# Altium PCB RFSoC-AMC.PcbDoc (part 6 of 12) (continued)
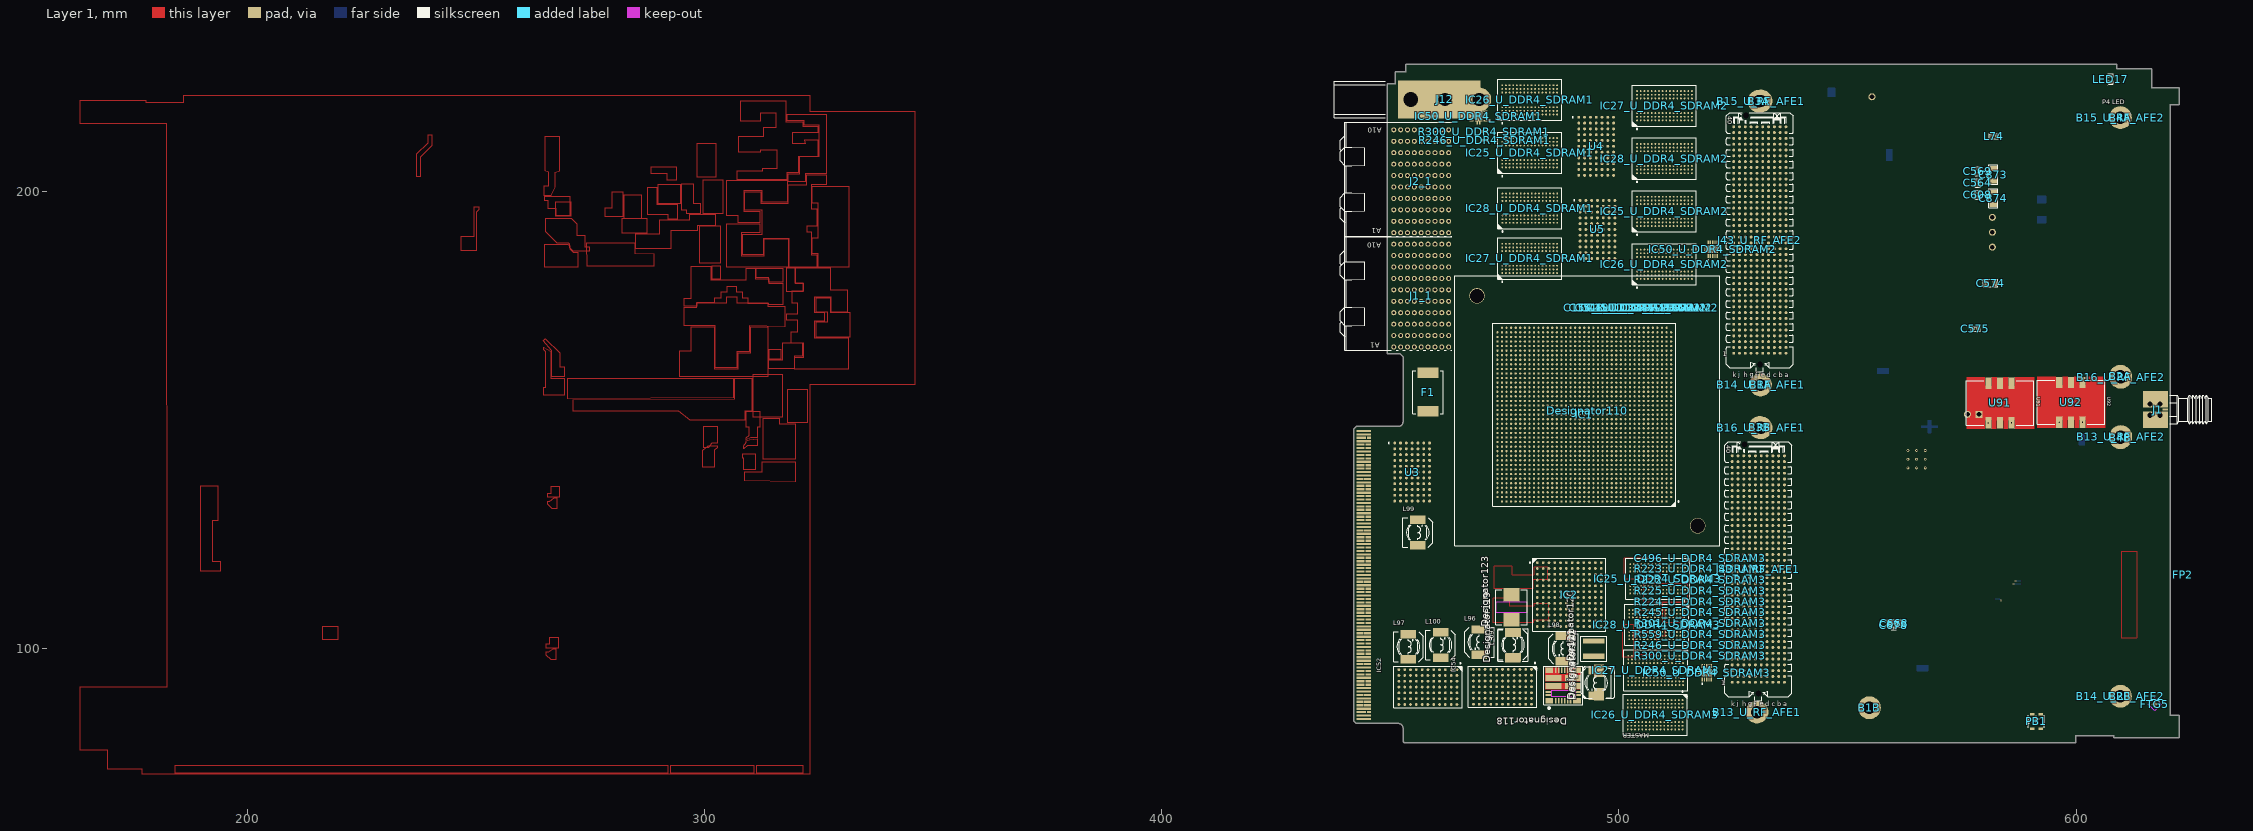
[diagram p0: Layer 1 view]
## Nets (pads, with @x,y where several pads share a name; then routed paths per layer and width w, separated by ;. In a path a pad name is that pad's centre, name@x,y a point inside that pad or via, vN(x,y) a via of type N, cw(c..) or ccw(c..) an arc to the next point about the centre after c; other vN are vias at no path point) (continued)
Designator143.U16 Designator143.U17 Designator143.U18 Designator143.V1 Designator143.V2 Designator143.V3 Designator143.V4 Designator143.V5 Designator143.V6 Designator143.V7 Designator143.V8 Designator143.V9 Designator143.V10 Designator143.V11 Designator143.V12 Designator143.V13 Designator143.V14 Designator143.V15 Designator143.V16 Designator143.V17 Designator143.V18 FTG3.1 FTG5.1 FTG7.1 IC1.A2 IC1.A3 IC1.A4 IC1.A5 IC1.A6 IC1.A7 IC1.A8 IC1.A9 IC1.A10 IC1.A11 IC1.A12 IC1.A13 IC1.A14 IC1.A15 IC1.A18 IC1.A20 IC1.A21 IC1.A23 IC1.A24 IC1.A25 IC1.A26 IC1.A27 IC1.A28 IC1.A30 IC1.A31 IC1.A32 IC1.A35 IC1.A36 IC1.A37 IC1.A38 IC1.AA1 IC1.AA2 IC1.AA3 IC1.AA4 IC1.AA5 IC1.AA6 IC1.AA7 IC1.AA8 IC1.AA9 IC1.AA10 IC1.AA11 IC1.AA12 IC1.AA13 IC1.AA14 IC1.AA15 IC1.AA16 IC1.AA17 IC1.AA18 IC1.AA19 IC1.AA20 IC1.AA21 IC1.AA22 IC1.AA23 IC1.AA24 IC1.AA25 IC1.AA26 IC1.AA27 IC1.AA28 IC1.AA29 IC1.AA30 IC1.AA31 IC1.AA32 IC1.AA33 IC1.AA34 IC1.AA35 IC1.AA36 IC1.AA37 IC1.AB3 IC1.AB6 IC1.AB10 IC1.AB11 IC1.AB12 IC1.AB13 IC1.AB14 IC1.AB15 IC1.AB16 IC1.AB17 IC1.AB18 IC1.AB19 IC1.AB20 IC1.AB21 IC1.AB22 IC1.AB23 IC1.AB24 IC1.AB25 IC1.AB26 IC1.AB27 IC1.AB28 IC1.AB29 IC1.AB30 IC1.AB31 IC1.AB32 IC1.AB33 IC1.AB34 IC1.AB35 IC1.AB36 IC1.AB37 IC1.AB38 IC1.AB39 IC1.AC1 IC1.AC2 IC1.AC3 IC1.AC4 IC1.AC5 IC1.AC6 IC1.AC8 IC1.AC10 IC1.AC11 IC1.AC12 IC1.AC13 IC1.AC14 IC1.AC15 IC1.AC16 IC1.AC17 IC1.AC18 IC1.AC19 IC1.AC20 IC1.AC21 IC1.AC22 IC1.AC23 IC1.AC24 IC1.AC25 IC1.AC26 IC1.AC27 IC1.AC28 IC1.AC29 IC1.AC30 IC1.AC31 IC1.AC32 IC1.AC33 IC1.AC34 IC1.AC35 IC1.AC36 IC1.AC37 IC1.AC38 IC1.AC39 IC1.AD3 IC1.AD6 IC1.AD8 IC1.AD10 IC1.AD11 IC1.AD12 IC1.AD13 IC1.AD14 IC1.AD15 IC1.AD16 IC1.AD17 IC1.AD18 IC1.AD19 IC1.AD20 IC1.AD21 IC1.AD22 IC1.AD23 IC1.AD24 IC1.AD25 IC1.AD26 IC1.AD27 IC1.AD28 IC1.AD29 IC1.AD30 IC1.AD31 IC1.AD32 IC1.AD33 IC1.AD34 IC1.AD35 IC1.AD36 IC1.AD37 IC1.AD38 IC1.AD39 IC1.AE1 IC1.AE2 IC1.AE3 IC1.AE4 IC1.AE5 IC1.AE6 IC1.AE8 IC1.AE10 IC1.AE11 IC1.AE12 IC1.AE13 IC1.AE14 IC1.AE15 IC1.AE16 IC1.AE17 IC1.AE18 IC1.AE19 IC1.AE20 IC1.AE21 IC1.AE22 IC1.AE23 IC1.AE24 IC1.AE25 IC1.AE26 IC1.AE27 IC1.AE28 IC1.AE29 IC1.AE30 IC1.AE31 IC1.AE32 IC1.AE33 IC1.AE34 IC1.AE35 IC1.AE36 IC1.AE37 IC1.AE38 IC1.AE39 IC1.AF3 IC1.AF6 IC1.AF8 IC1.AF10 IC1.AF11 IC1.AF12 IC1.AF13 IC1.AF14 IC1.AF15 IC1.AF16 IC1.AF17 IC1.AF18 IC1.AF19 IC1.AF20 IC1.AF21 IC1.AF22 IC1.AF23 IC1.AF24 IC1.AF25 IC1.AF26 IC1.AF27 IC1.AF28 IC1.AF29 IC1.AF30 IC1.AF31 IC1.AF33 IC1.AF34 IC1.AF35 IC1.AF36 IC1.AF37 IC1.AF38 IC1.AF39 IC1.AG1 IC1.AG2 IC1.AG3 IC1.AG4 IC1.AG5 IC1.AG6 IC1.AG8 IC1.AG10 IC1.AG11 IC1.AG12 IC1.AG14 IC1.AG16 IC1.AG17 IC1.AG18 IC1.AG20 IC1.AG21 IC1.AG22 IC1.AG23 IC1.AG24 IC1.AG25 IC1.AG26 IC1.AG27 IC1.AG28 IC1.AG29 IC1.AG31 IC1.AG33 IC1.AG34 IC1.AG35 IC1.AG36 IC1.AG37 IC1.AG38 IC1.AG39 IC1.AH3 IC1.AH6 IC1.AH8 IC1.AH10 IC1.AH11 IC1.AH12 IC1.AH13 IC1.AH14 IC1.AH15 IC1.AH16 IC1.AH17 IC1.AH18 IC1.AH19 IC1.AH20 IC1.AH21 IC1.AH22 IC1.AH23 IC1.AH24 IC1.AH25 IC1.AH26 IC1.AH27 IC1.AH28 IC1.AH29 IC1.AH31 IC1.AH32 IC1.AH33 IC1.AH34 IC1.AH35 IC1.AH36 IC1.AH37 IC1.AH38 IC1.AH39 IC1.AJ1 IC1.AJ2 IC1.AJ3 IC1.AJ6 IC1.AJ8 IC1.AJ10 IC1.AJ11 IC1.AJ12 IC1.AJ13 IC1.AJ14 IC1.AJ15 IC1.AJ16 IC1.AJ17 IC1.AJ19 IC1.AJ20 IC1.AJ21 IC1.AJ22 IC1.AJ23 IC1.AJ24 IC1.AJ25 IC1.AJ26 IC1.AJ27 IC1.AJ28 IC1.AJ29 IC1.AJ32 IC1.AJ33 IC1.AJ34 IC1.AJ35 IC1.AJ36 IC1.AJ37 IC1.AJ38 IC1.AJ39 IC1.AK3 IC1.AK6 IC1.AK7 IC1.AK8 IC1.AK9 IC1.AK10 IC1.AK11 IC1.AK12 IC1.AK14 IC1.AK15 IC1.AK16 IC1.AK18 IC1.AK19 IC1.AK20 IC1.AK21 IC1.AK22 IC1.AK25 IC1.AK29 IC1.AK30 IC1.AK33 IC1.AK34 IC1.AK35 IC1.AK36 IC1.AK37 IC1.AK38 IC1.AK39 IC1.AL1 IC1.AL2 IC1.AL3 IC1.AL6 IC1.AL7 IC1.AL8 IC1.AL9 IC1.AL10 IC1.AL11 IC1.AL12 IC1.AL13 IC1.AL14 IC1.AL16 IC1.AL18 IC1.AL19 IC1.AL20 IC1.AL21 IC1.AL22 IC1.AL23 IC1.AL24 IC1.AL26 IC1.AL27 IC1.AL28 IC1.AL30 IC1.AL31 IC1.AL32 IC1.AL33 IC1.AL34 IC1.AL35 IC1.AL36 IC1.AL37 IC1.AL38 IC1.AM3 IC1.AM4 IC1.AM5 IC1.AM6 IC1.AM7 IC1.AM8 IC1.AM9 IC1.AM10 IC1.AM11 IC1.AM13 IC1.AM14 IC1.AM15 IC1.AM16 IC1.AM18 IC1.AM19 IC1.AM21 IC1.AM22 IC1.AM23 IC1.AM24 IC1.AM26 IC1.AM27 IC1.AM31 IC1.AM32 IC1.AM33 IC1.AM36 IC1.AM37 IC1.AN1 IC1.AN2 IC1.AN3 IC1.AN4 IC1.AN5 IC1.AN6 IC1.AN7 IC1.AN8 IC1.AN9 IC1.AN10 IC1.AN11 IC1.AN12 IC1.AN13 IC1.AN14 IC1.AN16 IC1.AN17 IC1.AN18 IC1.AN19 IC1.AN20 IC1.AN21 IC1.AN22 IC1.AN24 IC1.AN29 IC1.AN30 IC1.AN31 IC1.AN32 IC1.AN34 IC1.AN37 IC1.AN39 IC1.AP3 IC1.AP4 IC1.AP5 IC1.AP6 IC1.AP7 IC1.AP9 IC1.AP10 IC1.AP11 IC1.AP12 IC1.AP13 IC1.AP14 IC1.AP15 IC1.AP16 IC1.AP17 IC1.AP18 IC1.AP19 IC1.AP20 IC1.AP21 IC1.AP22 IC1.AP27 IC1.AP28 IC1.AP30 IC1.AP31 IC1.AP32 IC1.AP35 IC1.AP36 IC1.AP37 IC1.AP38 IC1.AP39 IC1.AR1 IC1.AR2 IC1.AR3 IC1.AR4 IC1.AR5 IC1.AR6 IC1.AR7 IC1.AR8 IC1.AR9 IC1.AR10 IC1.AR11 IC1.AR12 IC1.AR13 IC1.AR14 IC1.AR15 IC1.AR16 IC1.AR18 IC1.AR19 IC1.AR20 IC1.AR21 IC1.AR22 IC1.AR25 IC1.AR26 IC1.AR28 IC1.AR29 IC1.AR30 IC1.AR31 IC1.AR32 IC1.AR35 IC1.AR36 IC1.AR39 IC1.AT1 IC1.AT2 IC1.AT3 IC1.AT4 IC1.AT5 IC1.AT6 IC1.AT7 IC1.AT8 IC1.AT9 IC1.AT10 IC1.AT11 IC1.AT12 IC1.AT13 IC1.AT15 IC1.AT16 IC1.AT17 IC1.AT18 IC1.AT19 IC1.AT20 IC1.AT21 IC1.AT22 IC1.AT23 IC1.AT24 IC1.AT26 IC1.AT27 IC1.AT28 IC1.AT29 IC1.AT33 IC1.AT34 IC1.AT35 IC1.AT36 IC1.AT38 IC1.AT39 IC1.AU1 IC1.AU2 IC1.AU3 IC1.AU4 IC1.AU5 IC1.AU6 IC1.AU7 IC1.AU8 IC1.AU10 IC1.AU11 IC1.AU12 IC1.AU13 IC1.AU14 IC1.AU15 IC1.AU16 IC1.AU17 IC1.AU18 IC1.AU19 IC1.AU20 IC1.AU21 IC1.AU23 IC1.AU24 IC1.AU26 IC1.AU30 IC1.AU31 IC1.AU32 IC1.AU34 IC1.AU36 IC1.AV1 IC1.AV2 IC1.AV3 IC1.AV4 IC1.AV5 IC1.AV6 IC1.AV7 IC1.AV8 IC1.AV9 IC1.AV11 IC1.AV12 IC1.AV13 IC1.AV14 IC1.AV15 IC1.AV16 IC1.AV17 IC1.AV18 IC1.AV19 IC1.AV20 IC1.AV21 IC1.AV24 IC1.AV28 IC1.AV29 IC1.AV30 IC1.AV31 IC1.AV32 IC1.AV34 IC1.AV36 IC1.AV37 IC1.AV39 IC1.AW2 IC1.AW3 IC1.AW4 IC1.AW5 IC1.AW6 IC1.AW7 IC1.AW8 IC1.AW9 IC1.AW10 IC1.AW11 IC1.AW12 IC1.AW13 IC1.AW14 IC1.AW15 IC1.AW16 IC1.AW17 IC1.AW18 IC1.AW20 IC1.AW21 IC1.AW22 IC1.AW27 IC1.AW28 IC1.AW29 IC1.AW30 IC1.AW32 IC1.AW37 IC1.AW38 IC1.B1 IC1.B2 IC1.B3 IC1.B4 IC1.B5 IC1.B6 IC1.B7 IC1.B8 IC1.B9 IC1.B10 IC1.B11 IC1.B12 IC1.B13 IC1.B14 IC1.B16 IC1.B20 IC1.B21 IC1.B23 IC1.B24 IC1.B25 IC1.B26 IC1.B27 IC1.B28 IC1.B30 IC1.B33 IC1.B34 IC1.B35 IC1.B38 IC1.B39 IC1.C3 IC1.C4 IC1.C5 IC1.C6 IC1.C7 IC1.C8 IC1.C9 IC1.C10 IC1.C11 IC1.C12 IC1.C13 IC1.C14 IC1.C17 IC1.C19 IC1.C20 IC1.C21 IC1.C22 IC1.C23 IC1.C24 IC1.C25 IC1.C26 IC1.C27 IC1.C28 IC1.C30 IC1.C31 IC1.C32 IC1.C35 IC1.C36 IC1.C37 IC1.D1 IC1.D2 IC1.D3 IC1.D4 IC1.D5 IC1.D6 IC1.D7 IC1.D8 IC1.D9 IC1.D10 IC1.D11 IC1.D12 IC1.D13 IC1.D14 IC1.D17 IC1.D18 IC1.D20 IC1.D21 IC1.D22 IC1.D25 IC1.D26 IC1.D27 IC1.D30 IC1.D33 IC1.D34 IC1.D35 IC1.D38 IC1.D39 IC1.E3 IC1.E4 IC1.E5 IC1.E6 IC1.E7 IC1.E8 IC1.E9 IC1.E10 IC1.E11 IC1.E14 IC1.E15 IC1.E16 IC1.E17 IC1.E18 IC1.E19 IC1.E20 IC1.E21 IC1.E22 IC1.E23 IC1.E24 IC1.E25 IC1.E26 IC1.E28 IC1.E30 IC1.E31 IC1.E32 IC1.E35 IC1.E36 IC1.E37 IC1.F1 IC1.F2 IC1.F3 IC1.F4 IC1.F5 IC1.F6 IC1.F8 IC1.F9 IC1.F10 IC1.F11 IC1.F12 IC1.F13 IC1.F14 IC1.F15 IC1.F16 IC1.F18 IC1.F19 IC1.F20 IC1.F21 IC1.F22 IC1.F23 IC1.F24 IC1.F25 IC1.F26 IC1.F27 IC1.F28 IC1.F30 IC1.F33 IC1.F34 IC1.F35 IC1.F38 IC1.F39 IC1.G3 IC1.G4 IC1.G5 IC1.G6 IC1.G7 IC1.G9 IC1.G10 IC1.G11 IC1.G12 IC1.G13 IC1.G14 IC1.G15 IC1.G16 IC1.G18 IC1.G19 IC1.G20 IC1.G21 IC1.G22 IC1.G23 IC1.G24 IC1.G25 IC1.G26 IC1.G27 IC1.G28 IC1.G29 IC1.G30 IC1.G31 IC1.G32 IC1.G35 IC1.G36 IC1.G37 IC1.H1 IC1.H2 IC1.H3 IC1.H5 IC1.H6 IC1.H7 IC1.H9 IC1.H10 IC1.H11 IC1.H12 IC1.H13 IC1.H14 IC1.H15 IC1.H16 IC1.H17 IC1.H18 IC1.H19 IC1.H21 IC1.H22 IC1.H23 IC1.H24 IC1.H25 IC1.H26 IC1.H27 IC1.H28 IC1.H29 IC1.H30 IC1.H33 IC1.H34 IC1.H35 IC1.H38 IC1.H39 IC1.J3 IC1.J5 IC1.J6 IC1.J7 IC1.J8 IC1.J9 IC1.J10 IC1.J11 IC1.J12 IC1.J15 IC1.J16 IC1.J17 IC1.J21 IC1.J22 IC1.J23 IC1.J24 IC1.J25 IC1.J26 IC1.J27 IC1.J28 IC1.J29 IC1.J30 IC1.J31 IC1.J32 IC1.J35 IC1.J36 IC1.J37 IC1.K1 IC1.K2 IC1.K3 IC1.K5 IC1.K6 IC1.K7 IC1.K8 IC1.K9 IC1.K10 IC1.K11 IC1.K12 IC1.K13 IC1.K15 IC1.K16 IC1.K17 IC1.K20 IC1.K24 IC1.K25 IC1.K26 IC1.K27 IC1.K28 IC1.K29 IC1.K30 IC1.K31 IC1.K32 IC1.K33 IC1.K34 IC1.K35 IC1.K38 IC1.K39 IC1.L3 IC1.L5 IC1.L8 IC1.L9 IC1.L10 IC1.L11 IC1.L12 IC1.L13 IC1.L14 IC1.L15 IC1.L18 IC1.L19 IC1.L20 IC1.L21 IC1.L22 IC1.L23 IC1.L24 IC1.L25 IC1.L26 IC1.L27 IC1.L28 IC1.L29 IC1.L30 IC1.L31 IC1.L32 IC1.L35 IC1.L36 IC1.L37 IC1.M1 IC1.M2 IC1.M3 IC1.M4 IC1.M5 IC1.M6 IC1.M8 IC1.M10 IC1.M11 IC1.M12 IC1.M13 IC1.M14 IC1.M15 IC1.M16 IC1.M17 IC1.M18 IC1.M19 IC1.M20 IC1.M21 IC1.M22 IC1.M23 IC1.M24 IC1.M25 IC1.M26 IC1.M27 IC1.M28 IC1.M29 IC1.M30 IC1.M31 IC1.M32 IC1.M33 IC1.M34 IC1.M35 IC1.M38 IC1.M39 IC1.N3 IC1.N6 IC1.N8 IC1.N10 IC1.N11 IC1.N12 IC1.N13 IC1.N14 IC1.N15 IC1.N17 IC1.N19 IC1.N20 IC1.N21 IC1.N22 IC1.N23 IC1.N24 IC1.N25 IC1.N26 IC1.N27 IC1.N28 IC1.N30 IC1.N31 IC1.N32 IC1.N35 IC1.N36 IC1.N37 IC1.P1 IC1.P2 IC1.P3 IC1.P4 IC1.P5 IC1.P6 IC1.P8 IC1.P10 IC1.P11 IC1.P12 IC1.P13 IC1.P14 IC1.P15 IC1.P16 IC1.P17 IC1.P18 IC1.P19 IC1.P20 IC1.P21 IC1.P22 IC1.P23 IC1.P24 IC1.P25 IC1.P26 IC1.P27 IC1.P30 IC1.P31 IC1.P32 IC1.P33 IC1.P34 IC1.P37 IC1.P38 IC1.P39 IC1.R3 IC1.R6 IC1.R8 IC1.R10 IC1.R11 IC1.R12 IC1.R13 IC1.R14 IC1.R15 IC1.R16 IC1.R17 IC1.R18 IC1.R19 IC1.R20 IC1.R21 IC1.R22 IC1.R23 IC1.R24 IC1.R25 IC1.R26 IC1.R30 IC1.R31 IC1.R32 IC1.R35 IC1.R36 IC1.R37 IC1.T1 IC1.T2 IC1.T3 IC1.T4 IC1.T5 IC1.T6 IC1.T8 IC1.T10 IC1.T11 IC1.T12 IC1.T13 IC1.T14 IC1.T15 IC1.T16 IC1.T17 IC1.T18 IC1.T19 IC1.T20 IC1.T21 IC1.T22 IC1.T23 IC1.T24 IC1.T25 IC1.T27 IC1.T28 IC1.T30 IC1.T31 IC1.T32 IC1.T33 IC1.T34 IC1.T37 IC1.T38 IC1.T39 IC1.U3 IC1.U6 IC1.U8 IC1.U10 IC1.U11 IC1.U12 IC1.U13 IC1.U14 IC1.U15 IC1.U16 IC1.U17 IC1.U18 IC1.U19 IC1.U20 IC1.U21 IC1.U22 IC1.U23 IC1.U24 IC1.U25 IC1.U26 IC1.U30 IC1.U31 IC1.U32 IC1.U33 IC1.U34 IC1.U35 IC1.U36 IC1.U37 IC1.V1 IC1.V2 IC1.V3 IC1.V4 IC1.V5 IC1.V6 IC1.V7 IC1.V8 IC1.V10 IC1.V11 IC1.V12 IC1.V13 IC1.V14 IC1.V15 IC1.V16 IC1.V17 IC1.V18 IC1.V19 IC1.V20 IC1.V21 IC1.V22 IC1.V23 IC1.V24 IC1.V25 IC1.V26 IC1.V30 IC1.V31 IC1.V32 IC1.V33 IC1.V34 IC1.V37 IC1.V38 IC1.V39 IC1.W1 IC1.W2 IC1.W3 IC1.W4 IC1.W5 IC1.W6 IC1.W7 IC1.W10 IC1.W11 IC1.W12 IC1.W13 IC1.W14 IC1.W15 IC1.W16 IC1.W17 IC1.W18 IC1.W19 IC1.W20 IC1.W21 IC1.W22 IC1.W23 IC1.W24 IC1.W25 IC1.W27 IC1.W30 IC1.W31 IC1.W32 IC1.W33 IC1.W34 IC1.W35 IC1.W36 IC1.W37 IC1.Y3 IC1.Y6 IC1.Y7 IC1.Y8 IC1.Y9 IC1.Y10 IC1.Y11 IC1.Y12 IC1.Y13 IC1.Y14 IC1.Y15 IC1.Y16 IC1.Y17 IC1.Y18 IC1.Y19 IC1.Y20 IC1.Y21 IC1.Y22 IC1.Y23 IC1.Y24 IC1.Y25 IC1.Y26 IC1.Y30 IC1.Y31 IC1.Y32 IC1.Y33 IC1.Y34 IC1.Y37 IC1.Y38 IC1.Y39 IC2.A1 IC2.A2 IC2.A3 IC2.A4 IC2.A5 IC2.A6 IC2.A7 IC2.A8 IC2.A9 IC2.A10 IC2.A11 IC2.A12 IC2.B1 IC2.B2 IC2.B3 IC2.B4 IC2.B5 IC2.B6 IC2.B7 IC2.B8 IC2.B9 IC2.B10 IC2.B11 IC2.B12 IC2.C1 IC2.C2 IC2.C3 IC2.C4 IC2.C5 IC2.C6 IC2.C7 IC2.C8 IC2.C9 IC2.C10 IC2.C11 IC2.C12 IC2.D1 IC2.D2 IC2.D3 IC2.D4 IC2.D5 IC2.D6 IC2.D7 IC2.D8 IC2.D9 IC2.D10 IC2.D11 IC2.D12 IC2.E1 IC2.E2 IC2.E3 IC2.E4 IC2.E5 IC2.E6 IC2.E7 IC2.E8 IC2.E9 IC2.E10 IC2.E11 IC2.E12 IC2.F1 IC2.F2 IC2.F3 IC2.F4 IC2.F5 IC2.F6 IC2.F7 IC2.F8 IC2.F9 IC2.F10 IC2.F11 IC2.F12 IC2.G1 IC2.G2 IC2.G3 IC2.G4 IC2.G5 IC2.G6 IC2.G7 IC2.G8 IC2.G9 IC2.G10 IC2.G11 IC2.G12 IC2.H1 IC2.H2 IC2.H3 IC2.H4 IC2.H5 IC2.H6 IC2.H7 IC2.H8 IC2.H9 IC2.H10 IC2.H11 IC2.H12 IC2.J1 IC2.J2 IC2.J3 IC2.J4 IC2.J5 IC2.J6 IC2.J7 IC2.J8 IC2.J9 IC2.J10 IC2.J11 IC2.J12 IC2.K1 IC2.K2 IC2.K3 IC2.K4 IC2.K5 IC2.K6 IC2.K7 IC2.K8 IC2.K9 IC2.K10 IC2.K11 IC2.K12 IC2.L1 IC2.L2 IC2.L3 IC2.L4 IC2.L5 IC2.L6 IC2.L7 IC2.L8 IC2.L9 IC2.L10 IC2.L11 IC2.L12 IC2.M1 IC2.M2 IC2.M3 IC2.M4 IC2.M5 IC2.M6 IC2.M7 IC2.M8 IC2.M9 IC2.M10 IC2.M11 IC2.M12 IC25_U_DDR4_SDRAM1.A7 IC25_U_DDR4_SDRAM1.B7 IC25_U_DDR4_SDRAM1.E2 IC25_U_DDR4_SDRAM1.E7 IC25_U_DDR4_SDRAM1.F3 IC25_U_DDR4_SDRAM1.G3 IC25_U_DDR4_SDRAM1.K2 IC25_U_DDR4_SDRAM1.K3 IC25_U_DDR4_SDRAM1.K7 IC25_U_DDR4_SDRAM1.K8 IC25_U_DDR4_SDRAM1.L2 IC25_U_DDR4_SDRAM1.L3 IC25_U_DDR4_SDRAM1.L7 IC25_U_DDR4_SDRAM1.L8 IC25_U_DDR4_SDRAM1.M2 IC25_U_DDR4_SDRAM1.M8 IC25_U_DDR4_SDRAM1.N2 IC25_U_DDR4_SDRAM1.N8 IC25_U_DDR4_SDRAM1.P1 IC25_U_DDR4_SDRAM1.P3 IC25_U_DDR4_SDRAM1.P7 IC25_U_DDR4_SDRAM1.P9 IC25_U_DDR4_SDRAM1.R3 IC25_U_DDR4_SDRAM1.T3 IC25_U_DDR4_SDRAM1.T7 IC25_U_DDR4_SDRAM2.A3 IC25_U_DDR4_SDRAM2.A7 IC25_U_DDR4_SDRAM2.B7 IC25_U_DDR4_SDRAM2.B8 IC25_U_DDR4_SDRAM2.C2 IC25_U_DDR4_SDRAM2.C3 IC25_U_DDR4_SDRAM2.C7 IC25_U_DDR4_SDRAM2.C8 IC25_U_DDR4_SDRAM2.D3 IC25_U_DDR4_SDRAM2.D7 IC25_U_DDR4_SDRAM2.F3 IC25_U_DDR4_SDRAM2.F7 IC25_U_DDR4_SDRAM2.G2 IC25_U_DDR4_SDRAM2.G3 IC25_U_DDR4_SDRAM2.H2 IC25_U_DDR4_SDRAM2.H3 IC25_U_DDR4_SDRAM2.H7 IC25_U_DDR4_SDRAM2.H8 IC25_U_DDR4_SDRAM2.J3 IC25_U_DDR4_SDRAM2.J7 IC25_U_DDR4_SDRAM2.K2 IC25_U_DDR4_SDRAM2.K3 IC25_U_DDR4_SDRAM2.K7 IC25_U_DDR4_SDRAM2.K8 IC25_U_DDR4_SDRAM2.L2 IC25_U_DDR4_SDRAM2.L3 IC25_U_DDR4_SDRAM2.L7 IC25_U_DDR4_SDRAM2.L8 IC25_U_DDR4_SDRAM2.M2 IC25_U_DDR4_SDRAM2.M3 IC25_U_DDR4_SDRAM2.M7 IC25_U_DDR4_SDRAM2.M8 IC25_U_DDR4_SDRAM2.N2 IC25_U_DDR4_SDRAM2.N3 IC25_U_DDR4_SDRAM2.N7 IC25_U_DDR4_SDRAM2.N8 IC25_U_DDR4_SDRAM2.P1 IC25_U_DDR4_SDRAM2.P2 IC25_U_DDR4_SDRAM2.P8 IC25_U_DDR4_SDRAM2.P9 IC25_U_DDR4_SDRAM2.R2 IC25_U_DDR4_SDRAM2.R7 IC25_U_DDR4_SDRAM2.R8 IC25_U_DDR4_SDRAM2.T2 IC25_U_DDR4_SDRAM2.T3 IC25_U_DDR4_SDRAM2.T7 IC25_U_DDR4_SDRAM3.A3 IC25_U_DDR4_SDRAM3.B8 IC25_U_DDR4_SDRAM3.C2 IC25_U_DDR4_SDRAM3.C3 IC25_U_DDR4_SDRAM3.C7 IC25_U_DDR4_SDRAM3.C8 IC25_U_DDR4_SDRAM3.D3 IC25_U_DDR4_SDRAM3.D7 IC25_U_DDR4_SDRAM3.E2 IC25_U_DDR4_SDRAM3.E7 IC25_U_DDR4_SDRAM3.F7 IC25_U_DDR4_SDRAM3.G2 IC25_U_DDR4_SDRAM3.H2 IC25_U_DDR4_SDRAM3.H3 IC25_U_DDR4_SDRAM3.H7 IC25_U_DDR4_SDRAM3.H8 IC25_U_DDR4_SDRAM3.J3 IC25_U_DDR4_SDRAM3.J7 IC25_U_DDR4_SDRAM3.M3 IC25_U_DDR4_SDRAM3.M7 IC25_U_DDR4_SDRAM3.N3 IC25_U_DDR4_SDRAM3.N7 IC25_U_DDR4_SDRAM3.P2 IC25_U_DDR4_SDRAM3.P3 IC25_U_DDR4_SDRAM3.P7 IC25_U_DDR4_SDRAM3.P8 IC25_U_DDR4_SDRAM3.R2 IC25_U_DDR4_SDRAM3.R3 IC25_U_DDR4_SDRAM3.R7 IC25_U_DDR4_SDRAM3.R8 IC25_U_DDR4_SDRAM3.T2 IC25_U_DDR4_SDRAM3.T7 IC26_U_DDR4_SDRAM1.A7 IC26_U_DDR4_SDRAM1.B7 IC26_U_DDR4_SDRAM1.E2 IC26_U_DDR4_SDRAM1.E7 IC26_U_DDR4_SDRAM1.F3 IC26_U_DDR4_SDRAM1.G3 IC26_U_DDR4_SDRAM1.K2 IC26_U_DDR4_SDRAM1.K3 IC26_U_DDR4_SDRAM1.K7 IC26_U_DDR4_SDRAM1.K8 IC26_U_DDR4_SDRAM1.L2 IC26_U_DDR4_SDRAM1.L3 IC26_U_DDR4_SDRAM1.L7 IC26_U_DDR4_SDRAM1.L8 IC26_U_DDR4_SDRAM1.M2 IC26_U_DDR4_SDRAM1.M8 IC26_U_DDR4_SDRAM1.N2 IC26_U_DDR4_SDRAM1.N8 IC26_U_DDR4_SDRAM1.P1 IC26_U_DDR4_SDRAM1.P3 IC26_U_DDR4_SDRAM1.P7 IC26_U_DDR4_SDRAM1.P9 IC26_U_DDR4_SDRAM1.R3 IC26_U_DDR4_SDRAM1.T3 IC26_U_DDR4_SDRAM1.T7 IC26_U_DDR4_SDRAM2.A3 IC26_U_DDR4_SDRAM2.A7 IC26_U_DDR4_SDRAM2.B7 IC26_U_DDR4_SDRAM2.B8 IC26_U_DDR4_SDRAM2.C2 IC26_U_DDR4_SDRAM2.C3 IC26_U_DDR4_SDRAM2.C7 IC26_U_DDR4_SDRAM2.C8 IC26_U_DDR4_SDRAM2.D3 IC26_U_DDR4_SDRAM2.D7 IC26_U_DDR4_SDRAM2.F3 IC26_U_DDR4_SDRAM2.F7 IC26_U_DDR4_SDRAM2.G2 IC26_U_DDR4_SDRAM2.G3 IC26_U_DDR4_SDRAM2.H2 IC26_U_DDR4_SDRAM2.H3 IC26_U_DDR4_SDRAM2.H7 IC26_U_DDR4_SDRAM2.H8 IC26_U_DDR4_SDRAM2.J3 IC26_U_DDR4_SDRAM2.J7 IC26_U_DDR4_SDRAM2.K2 IC26_U_DDR4_SDRAM2.K3 IC26_U_DDR4_SDRAM2.K7 IC26_U_DDR4_SDRAM2.K8 IC26_U_DDR4_SDRAM2.L2 IC26_U_DDR4_SDRAM2.L3 IC26_U_DDR4_SDRAM2.L7 IC26_U_DDR4_SDRAM2.L8 IC26_U_DDR4_SDRAM2.M2 IC26_U_DDR4_SDRAM2.M3 IC26_U_DDR4_SDRAM2.M7 IC26_U_DDR4_SDRAM2.M8 IC26_U_DDR4_SDRAM2.N2 IC26_U_DDR4_SDRAM2.N3 IC26_U_DDR4_SDRAM2.N7 IC26_U_DDR4_SDRAM2.N8 IC26_U_DDR4_SDRAM2.P1 IC26_U_DDR4_SDRAM2.P2 IC26_U_DDR4_SDRAM2.P8 IC26_U_DDR4_SDRAM2.P9 IC26_U_DDR4_SDRAM2.R2 IC26_U_DDR4_SDRAM2.R7 IC26_U_DDR4_SDRAM2.R8 IC26_U_DDR4_SDRAM2.T2 IC26_U_DDR4_SDRAM2.T3 IC26_U_DDR4_SDRAM2.T7 IC26_U_DDR4_SDRAM3.A3 IC26_U_DDR4_SDRAM3.B8 IC26_U_DDR4_SDRAM3.C2 IC26_U_DDR4_SDRAM3.C3 IC26_U_DDR4_SDRAM3.C7 IC26_U_DDR4_SDRAM3.C8 IC26_U_DDR4_SDRAM3.D3 IC26_U_DDR4_SDRAM3.D7 IC26_U_DDR4_SDRAM3.E2 IC26_U_DDR4_SDRAM3.E7 IC26_U_DDR4_SDRAM3.F7 IC26_U_DDR4_SDRAM3.G2 IC26_U_DDR4_SDRAM3.H2 IC26_U_DDR4_SDRAM3.H3 IC26_U_DDR4_SDRAM3.H7 IC26_U_DDR4_SDRAM3.H8 IC26_U_DDR4_SDRAM3.J3 IC26_U_DDR4_SDRAM3.J7 IC26_U_DDR4_SDRAM3.M3 IC26_U_DDR4_SDRAM3.M7 IC26_U_DDR4_SDRAM3.N3 IC26_U_DDR4_SDRAM3.N7 IC26_U_DDR4_SDRAM3.P2 IC26_U_DDR4_SDRAM3.P3 IC26_U_DDR4_SDRAM3.P7 IC26_U_DDR4_SDRAM3.P8 IC26_U_DDR4_SDRAM3.R2 IC26_U_DDR4_SDRAM3.R3 IC26_U_DDR4_SDRAM3.R7 IC26_U_DDR4_SDRAM3.R8 IC26_U_DDR4_SDRAM3.T2 IC26_U_DDR4_SDRAM3.T7 IC27_U_DDR4_SDRAM1.A7 IC27_U_DDR4_SDRAM1.B7 IC27_U_DDR4_SDRAM1.E2 IC27_U_DDR4_SDRAM1.E7 IC27_U_DDR4_SDRAM1.F3 IC27_U_DDR4_SDRAM1.G3 IC27_U_DDR4_SDRAM1.K2 IC27_U_DDR4_SDRAM1.K3 IC27_U_DDR4_SDRAM1.K7 IC27_U_DDR4_SDRAM1.K8 IC27_U_DDR4_SDRAM1.L2 IC27_U_DDR4_SDRAM1.L3 IC27_U_DDR4_SDRAM1.L7 IC27_U_DDR4_SDRAM1.L8 IC27_U_DDR4_SDRAM1.M2 IC27_U_DDR4_SDRAM1.M8 IC27_U_DDR4_SDRAM1.N2 IC27_U_DDR4_SDRAM1.N8 IC27_U_DDR4_SDRAM1.P1 IC27_U_DDR4_SDRAM1.P3 IC27_U_DDR4_SDRAM1.P7 IC27_U_DDR4_SDRAM1.P9 IC27_U_DDR4_SDRAM1.R3 IC27_U_DDR4_SDRAM1.T3 IC27_U_DDR4_SDRAM1.T7 IC27_U_DDR4_SDRAM2.A3 IC27_U_DDR4_SDRAM2.A7 IC27_U_DDR4_SDRAM2.B7 IC27_U_DDR4_SDRAM2.B8 IC27_U_DDR4_SDRAM2.C2 IC27_U_DDR4_SDRAM2.C3 IC27_U_DDR4_SDRAM2.C7 IC27_U_DDR4_SDRAM2.C8 IC27_U_DDR4_SDRAM2.D3 IC27_U_DDR4_SDRAM2.D7 IC27_U_DDR4_SDRAM2.F3 IC27_U_DDR4_SDRAM2.F7 IC27_U_DDR4_SDRAM2.G2 IC27_U_DDR4_SDRAM2.G3 IC27_U_DDR4_SDRAM2.H2 IC27_U_DDR4_SDRAM2.H3 IC27_U_DDR4_SDRAM2.H7 IC27_U_DDR4_SDRAM2.H8 IC27_U_DDR4_SDRAM2.J3 IC27_U_DDR4_SDRAM2.J7 IC27_U_DDR4_SDRAM2.K2 IC27_U_DDR4_SDRAM2.K3 IC27_U_DDR4_SDRAM2.K7 IC27_U_DDR4_SDRAM2.K8 IC27_U_DDR4_SDRAM2.L2 IC27_U_DDR4_SDRAM2.L3 IC27_U_DDR4_SDRAM2.L7 IC27_U_DDR4_SDRAM2.L8 IC27_U_DDR4_SDRAM2.M2 IC27_U_DDR4_SDRAM2.M3 IC27_U_DDR4_SDRAM2.M7 IC27_U_DDR4_SDRAM2.M8 IC27_U_DDR4_SDRAM2.N2 IC27_U_DDR4_SDRAM2.N3 IC27_U_DDR4_SDRAM2.N7 IC27_U_DDR4_SDRAM2.N8 IC27_U_DDR4_SDRAM2.P1 IC27_U_DDR4_SDRAM2.P2 IC27_U_DDR4_SDRAM2.P8 IC27_U_DDR4_SDRAM2.P9 IC27_U_DDR4_SDRAM2.R2 IC27_U_DDR4_SDRAM2.R7 IC27_U_DDR4_SDRAM2.R8 IC27_U_DDR4_SDRAM2.T2 IC27_U_DDR4_SDRAM2.T3 IC27_U_DDR4_SDRAM2.T7 IC27_U_DDR4_SDRAM3.A3 IC27_U_DDR4_SDRAM3.B8 IC27_U_DDR4_SDRAM3.C2 IC27_U_DDR4_SDRAM3.C3 IC27_U_DDR4_SDRAM3.C7 IC27_U_DDR4_SDRAM3.C8 IC27_U_DDR4_SDRAM3.D3 IC27_U_DDR4_SDRAM3.D7 IC27_U_DDR4_SDRAM3.E2 IC27_U_DDR4_SDRAM3.E7 IC27_U_DDR4_SDRAM3.F7 IC27_U_DDR4_SDRAM3.G2 IC27_U_DDR4_SDRAM3.H2 IC27_U_DDR4_SDRAM3.H3 IC27_U_DDR4_SDRAM3.H7 IC27_U_DDR4_SDRAM3.H8 IC27_U_DDR4_SDRAM3.J3 IC27_U_DDR4_SDRAM3.J7 IC27_U_DDR4_SDRAM3.M3 IC27_U_DDR4_SDRAM3.M7 IC27_U_DDR4_SDRAM3.N3 IC27_U_DDR4_SDRAM3.N7 IC27_U_DDR4_SDRAM3.P2 IC27_U_DDR4_SDRAM3.P3 IC27_U_DDR4_SDRAM3.P7 IC27_U_DDR4_SDRAM3.P8 IC27_U_DDR4_SDRAM3.R2 IC27_U_DDR4_SDRAM3.R3 IC27_U_DDR4_SDRAM3.R7 IC27_U_DDR4_SDRAM3.R8 IC27_U_DDR4_SDRAM3.T2 IC27_U_DDR4_SDRAM3.T7 IC28_U_DDR4_SDRAM1.A7 IC28_U_DDR4_SDRAM1.B7 IC28_U_DDR4_SDRAM1.E2 IC28_U_DDR4_SDRAM1.E7 IC28_U_DDR4_SDRAM1.F3 IC28_U_DDR4_SDRAM1.G3 IC28_U_DDR4_SDRAM1.K2 IC28_U_DDR4_SDRAM1.K3 IC28_U_DDR4_SDRAM1.K7 IC28_U_DDR4_SDRAM1.K8 IC28_U_DDR4_SDRAM1.L2 IC28_U_DDR4_SDRAM1.L3 IC28_U_DDR4_SDRAM1.L7 IC28_U_DDR4_SDRAM1.L8 IC28_U_DDR4_SDRAM1.M2 IC28_U_DDR4_SDRAM1.M8 IC28_U_DDR4_SDRAM1.N2 IC28_U_DDR4_SDRAM1.N8 IC28_U_DDR4_SDRAM1.P1 IC28_U_DDR4_SDRAM1.P3 IC28_U_DDR4_SDRAM1.P7 IC28_U_DDR4_SDRAM1.P9 IC28_U_DDR4_SDRAM1.R3 IC28_U_DDR4_SDRAM1.T3 IC28_U_DDR4_SDRAM1.T7 IC28_U_DDR4_SDRAM2.A3 IC28_U_DDR4_SDRAM2.A7 IC28_U_DDR4_SDRAM2.B7 IC28_U_DDR4_SDRAM2.B8 IC28_U_DDR4_SDRAM2.C2 IC28_U_DDR4_SDRAM2.C3 IC28_U_DDR4_SDRAM2.C7 IC28_U_DDR4_SDRAM2.C8 IC28_U_DDR4_SDRAM2.D3 IC28_U_DDR4_SDRAM2.D7 IC28_U_DDR4_SDRAM2.F3 IC28_U_DDR4_SDRAM2.F7 IC28_U_DDR4_SDRAM2.G2 IC28_U_DDR4_SDRAM2.G3 IC28_U_DDR4_SDRAM2.H2 IC28_U_DDR4_SDRAM2.H3 IC28_U_DDR4_SDRAM2.H7 IC28_U_DDR4_SDRAM2.H8 IC28_U_DDR4_SDRAM2.J3 IC28_U_DDR4_SDRAM2.J7 IC28_U_DDR4_SDRAM2.K2 IC28_U_DDR4_SDRAM2.K3 IC28_U_DDR4_SDRAM2.K7 IC28_U_DDR4_SDRAM2.K8 IC28_U_DDR4_SDRAM2.L2 IC28_U_DDR4_SDRAM2.L3 IC28_U_DDR4_SDRAM2.L7 IC28_U_DDR4_SDRAM2.L8 IC28_U_DDR4_SDRAM2.M2 IC28_U_DDR4_SDRAM2.M3 IC28_U_DDR4_SDRAM2.M7 IC28_U_DDR4_SDRAM2.M8 IC28_U_DDR4_SDRAM2.N2 IC28_U_DDR4_SDRAM2.N3 IC28_U_DDR4_SDRAM2.N7 IC28_U_DDR4_SDRAM2.N8 IC28_U_DDR4_SDRAM2.P1 IC28_U_DDR4_SDRAM2.P2 IC28_U_DDR4_SDRAM2.P8 IC28_U_DDR4_SDRAM2.P9 IC28_U_DDR4_SDRAM2.R2 IC28_U_DDR4_SDRAM2.R7 IC28_U_DDR4_SDRAM2.R8 IC28_U_DDR4_SDRAM2.T2 IC28_U_DDR4_SDRAM2.T3 IC28_U_DDR4_SDRAM2.T7 IC28_U_DDR4_SDRAM3.A3 IC28_U_DDR4_SDRAM3.B8 IC28_U_DDR4_SDRAM3.C2 IC28_U_DDR4_SDRAM3.C3 IC28_U_DDR4_SDRAM3.C7 IC28_U_DDR4_SDRAM3.C8 IC28_U_DDR4_SDRAM3.D3 IC28_U_DDR4_SDRAM3.D7 IC28_U_DDR4_SDRAM3.E2 IC28_U_DDR4_SDRAM3.E7 IC28_U_DDR4_SDRAM3.F7 IC28_U_DDR4_SDRAM3.G2 IC28_U_DDR4_SDRAM3.H2 IC28_U_DDR4_SDRAM3.H3 IC28_U_DDR4_SDRAM3.H7 IC28_U_DDR4_SDRAM3.H8 IC28_U_DDR4_SDRAM3.J3 IC28_U_DDR4_SDRAM3.J7 IC28_U_DDR4_SDRAM3.M3 IC28_U_DDR4_SDRAM3.M7 IC28_U_DDR4_SDRAM3.N3 IC28_U_DDR4_SDRAM3.N7 IC28_U_DDR4_SDRAM3.P2 IC28_U_DDR4_SDRAM3.P3 IC28_U_DDR4_SDRAM3.P7 IC28_U_DDR4_SDRAM3.P8 IC28_U_DDR4_SDRAM3.R2 IC28_U_DDR4_SDRAM3.R3 IC28_U_DDR4_SDRAM3.R7 IC28_U_DDR4_SDRAM3.R8 IC28_U_DDR4_SDRAM3.T2 IC28_U_DDR4_SDRAM3.T7 IC52.A1 IC52.A2 IC52.A3 IC52.A4 IC52.A5 IC52.A6 IC52.A7 IC52.B1 IC52.B2 IC52.B3 IC52.B4 IC52.B5 IC52.B6 IC52.B7 IC52.C1 IC52.C2 IC52.C3 IC52.C4 IC52.C5 IC52.C6 IC52.C7 IC52.D1 IC52.D2 IC52.D3 IC52.D4 IC52.D5 IC52.D6 IC52.D7 IC52.E1 IC52.E2 IC52.E3 IC52.E4 IC52.E5 IC52.E6 IC52.E7 IC52.F1 IC52.F2 IC52.F3 IC52.F4 IC52.F5 IC52.F6 IC52.F7 IC52.G1 IC52.G2 IC52.G3 IC52.G4 IC52.G5 IC52.G6 IC52.G7 IC52.H1 IC52.H2 IC52.H3 IC52.H4 IC52.H5 IC52.H6 IC52.H7 IC52.J1 IC52.J2 IC52.J3 IC52.J4 IC52.J5 IC52.J6 IC52.J7 IC52.K1 IC52.K2 IC52.K3 IC52.K4 IC52.K5 IC52.K6 IC52.K7 IC52.L1 IC52.L2 IC52.L3 IC52.L4 IC52.L5 IC52.L6 IC52.L7 IC54.A1 IC54.A2 IC54.A3 IC54.A4 IC54.A5 IC54.A6 IC54.A7 IC54.B1 IC54.B2 IC54.B3 IC54.B4 IC54.B5 IC54.B6 IC54.B7 IC54.C1 IC54.C2 IC54.C3 IC54.C4 IC54.C5 IC54.C6 IC54.C7 IC54.D1 IC54.D2 IC54.D3 IC54.D4 IC54.D5 IC54.D6 IC54.D7 IC54.E1 IC54.E2 IC54.E3 IC54.E4 IC54.E5 IC54.E6 IC54.E7 IC54.F1 IC54.F2 IC54.F3 IC54.F4 IC54.F5 IC54.F6 IC54.F7 IC54.G1 IC54.G2 IC54.G3 IC54.G4 IC54.G5 IC54.G6 IC54.G7 IC54.H1 IC54.H2 IC54.H3 IC54.H4 IC54.H5 IC54.H6 IC54.H7 IC54.J1 IC54.J2 IC54.J3 IC54.J4 IC54.J5 IC54.J6 IC54.J7 IC54.K1 IC54.K2 IC54.K3 IC54.K4 IC54.K5 IC54.K6 IC54.K7 IC54.L1 IC54.L2 IC54.L3 IC54.L4 IC54.L5 IC54.L6 IC54.L7 IC60.1 IC60.7 IC60.8 IC60.9 IC60.10 J1_1.A1 J1_1.A2 J1_1.A3 J1_1.A4 J1_1.A5 J1_1.A6 J1_1.A7 J1_1.A8 J1_1.A9 J1_1.A10 J1_1.B1 J1_1.B2 J1_1.B3 J1_1.B4 J1_1.B5 J1_1.B6 J1_1.B7 J1_1.B8 J1_1.B9 J1_1.B10 J1_1.BG1 J1_1.BG2 J1_1.BG3 J1_1.BG4 J1_1.BG5 J1_1.BG6 J1_1.BG7 J1_1.BG8 J1_1.BG9 J1_1.BG10 J1_1.C1 J1_1.C2 J1_1.C3 J1_1.C4 J1_1.C5 J1_1.C6 J1_1.C7 J1_1.C8 J1_1.C9 J1_1.C10 J1_1.D1 J1_1.D2 J1_1.D3 J1_1.D4 J1_1.D5 J1_1.D6 J1_1.D7 J1_1.D8 J1_1.D9 J1_1.D10 J1_1.DG1 J1_1.DG2 J1_1.DG3 J1_1.DG4 J1_1.DG5 J1_1.DG6 J1_1.DG7 J1_1.DG8 J1_1.DG9 J1_1.DG10 J1_1.E1 J1_1.E2 J1_1.E3 J1_1.E4 J1_1.E5 J1_1.E6 J1_1.E7 J1_1.E8 J1_1.E9 J1_1.E10 J1_1.F1 J1_1.F2 J1_1.F3 J1_1.F4 J1_1.F5 J1_1.F6 J1_1.F7 J1_1.F8 J1_1.F9 J1_1.F10 J1_1.FG1 J1_1.FG2 J1_1.FG3 J1_1.FG4 J1_1.FG5 J1_1.FG6 J1_1.FG7 J1_1.FG8 J1_1.FG9 J1_1.FG10 J2_1.A1 J2_1.A2 J2_1.A3 J2_1.A4 J2_1.A5 J2_1.A6 J2_1.A7 J2_1.A8 J2_1.A9 J2_1.A10 J2_1.B1 J2_1.B2 J2_1.B3 J2_1.B4 J2_1.B5 J2_1.B6 J2_1.B7 J2_1.B8 J2_1.B9 J2_1.B10 J2_1.BG1 J2_1.BG2 J2_1.BG3 J2_1.BG4 J2_1.BG5 J2_1.BG6 J2_1.BG7 J2_1.BG8 J2_1.BG9 J2_1.BG10 J2_1.C1 J2_1.C2 J2_1.C3 J2_1.C4 J2_1.C5 J2_1.C6 J2_1.C7 J2_1.C8 J2_1.C9 J2_1.C10 J2_1.D1 J2_1.D2 J2_1.D3 J2_1.D4 J2_1.D5 J2_1.D6 J2_1.D7 J2_1.D8 J2_1.D9 J2_1.D10 J2_1.DG1 J2_1.DG2 J2_1.DG3 J2_1.DG4 J2_1.DG5 J2_1.DG6 J2_1.DG7 J2_1.DG8 J2_1.DG9 J2_1.DG10 J2_1.E1 J2_1.E2 J2_1.E3 J2_1.E4 J2_1.E5 J2_1.E6 J2_1.E7 J2_1.E8 J2_1.E9 J2_1.E10 J2_1.F1 J2_1.F2 J2_1.F3 J2_1.F4 J2_1.F5 J2_1.F6 J2_1.F7 J2_1.F8 J2_1.F9 J2_1.F10 J2_1.FG1 J2_1.FG2 J2_1.FG3 J2_1.FG4 J2_1.FG5 J2_1.FG6 J2_1.FG7 J2_1.FG8 J2_1.FG9 J2_1.FG10 J12.1 J43_U_RF_AFE1.1 J43_U_RF_AFE1.2 J43_U_RF_AFE1.b31 J43_U_RF_AFE1.b32 J43_U_RF_AFE1.e31 J43_U_RF_AFE1.e32 J43_U_RF_AFE1.f32 J43_U_RF_AFE1.g28 J43_U_RF_AFE1.h29 J43_U_RF_AFE1.h30 J43_U_RF_AFE1.k28 J43_U_RF_AFE1.k29 J43_U_RF_AFE2.1 J43_U_RF_AFE2.2 J43_U_RF_AFE2.b31 J43_U_RF_AFE2.b32 J43_U_RF_AFE2.e31 J43_U_RF_AFE2.e32 J43_U_RF_AFE2.f32 J43_U_RF_AFE2.g28 J43_U_RF_AFE2.h29 J43_U_RF_AFE2.h30 J43_U_RF_AFE2.k28 J43_U_RF_AFE2.k29 J110.1 J110.2 L60_1.1 L60_1.2 L96.1 L96.2 L97.1 L97.2 L98.1 L98.2 L99.1 L99.2 L100.1 L100.2 LED1.1 LED1.2 LED1.3 LED2.1 LED2.2 LED2.3 LED17.A LED17.K MSBOX1.1 MSBOX1.2 MSBOX1.3 MSBOX1.4 MSBOX1.5 MSBOX1.11 MSBOX1.12 MSBOX1.13 MSBOX1.14 MSBOX1.15 MSBOX1.16 MSBOX1.17 MSBOX1.18 MSBOX1.19 MSBOX1.20 MSBOX1_U_ADC_PLL1.6 MSBOX1_U_ADC_PLL1.7 MSBOX1_U_ADC_PLL1.8 MSBOX1_U_ADC_PLL1.9 MSBOX1_U_ADC_PLL1.10 MSBOX1_U_ADC_PLL1.11 MSBOX1_U_ADC_PLL1.12 MSBOX1_U_ADC_PLL1.13 MSBOX1_U_ADC_PLL1.14 MSBOX1_U_ADC_PLL1.15 MSBOX1_U_ADC_PLL1.16 MSBOX1_U_ADC_PLL1.17 MSBOX1_U_ADC_PLL1.18 MSBOX1_U_ADC_PLL1.19 MSBOX1_U_ADC_PLL1.20 MSBOX1_U_ADC_PLL2.6 MSBOX1_U_ADC_PLL2.7 MSBOX1_U_ADC_PLL2.8 MSBOX1_U_ADC_PLL2.9 MSBOX1_U_ADC_PLL2.10 MSBOX1_U_ADC_PLL2.11 MSBOX1_U_ADC_PLL2.12 MSBOX1_U_ADC_PLL2.13 MSBOX1_U_ADC_PLL2.14 MSBOX1_U_ADC_PLL2.15 MSBOX1_U_ADC_PLL2.16 MSBOX1_U_ADC_PLL2.17 MSBOX1_U_ADC_PLL2.18 MSBOX1_U_ADC_PLL2.19 MSBOX1_U_ADC_PLL2.20 P1.1 P1.2 P1.3 P1.4 P1.5 P1.6 P1.7 P1.8 P1.9 P1.10 P1.11 P1.12 P1.13 P1.14 P1.15 P1.16 P1.17 P1.18 P1.19 P1.20 P1.21 P1.22 P1.23 P1.24 P1.25 P1.26 P1.27 P1.28 P1.29 P1.30 P1.31 P1.32 P1.33 P1.34 P1.35 P1.36 P1.37 P1.38 P1.39 P1.40 P1.41 P1.42 P1.43 P1.44 P1.45 P1.46 P1.47 P1.48 P1.49 P1.50 P1.51 P1.52 P1.53 P1.54 P1.55 P1.56 P1.57 P1.58 P1.59 P1.60 P1.61 P1.62 P1.63 P1.64 P1.65 P1.66 P1.67 P1.68 P1.69 P1.70 P1.71 P1.72 P1.73 P1.74 P1.75 P1.76 P1.77 P1.78 P1.79 P1.80 P1.81 P1.82 P1.83 P1.84 P1.85 P1.86 P1.87 P1.88 P1.89 P1.90 P1.91 P1.92 P1.93 P1.94 P1.95 P1.96 P1.97 P1.98 P1.99 P1.100 P1.101 P1.102 P1.103 P1.104 P1.105 P1.106 P1.107 P1.108 P1.109 P1.110 P1.111 P1.112 P1.113 P1.114 P1.115 P1.116 P1.117 P1.118 P1.119 P1.120 P1.121 P1.122 P1.123 P1.124 P1.125 P1.126 P1.127 P1.128 P1.129 P1.130 P1.131 P1.132 P1.133 P1.134 P1.135 P1.136 P1.137 P1.138 P1.139 P1.140 P1.141 P1.142 P1.143 P1.144 P1.145 P1.146 P1.147 P1.148 P1.149 P1.150 P1.151 P1.152 P1.153 P1.154 P1.155 P1.156 P1.157 P1.158 P1.159 P1.160 P1.161 P1.162 P1.163 P1.164 P1.165 P1.166 P1.167 P1.168 P1.169 P1.170 P1.171 P1.172 P1.173 P1.174 P1.175 P1.176 P1.177 P1.178 P1.179 P1.180 P1.181 P1.182 P1.183 P1.184 P1.185 P1.186 P1.187 P1.188 P1.189 P1.190 P1.191 P1.192 P1.193 P1.194 P1.195 P1.196 P1.197 P1.198 P1.199 P1.200 P1.201 P1.202 P1.203 P1.204 P1.205 P1.206 P1.207 P1.208 P1.209 P1.210 P1.211 P1.212 P1.213 P1.214 P1.215 P1.216 P1.217 P1.218 P1.219 P1.220 P1.221 P1.222 P1.223 P1.224 P1.225 P1.226 P1.227 P1.228 P1.229 P1.230 P1.231 P1.232 P1.233 P1.234 P1.235 P1.236 P1.237 P1.238 P1.239 P1.240 P1.241 P1.242 P1.243 P1.244 P1.245 P1.246 P1.247 P1.248 P1.249 P1.250 P1.251 P1.252 P1.253 P1.254 P1.255 P1.256 P1.257 P1.258 P1.259 P1.260 P1.261 P1.262 P1.263 P1.264 P1.265 P1.266 P1.267 P1.268 P1.269 P1.270 P1.271 P1.272 P1.273 P1.274 PB1.1 PB1.2 PB1.3 PB1.4 PB1.5 PB1.10 R222_U_DDR4_SDRAM1.2 R222_U_DDR4_SDRAM3.2 R223_U_DDR4_SDRAM1.2 R223_U_DDR4_SDRAM3.2 R224_U_DDR4_SDRAM1.2 R224_U_DDR4_SDRAM3.2 R225_U_DDR4_SDRAM2.2 R225_U_DDR4_SDRAM3.2 R226_U_DDR4_SDRAM2.2 R226_U_DDR4_SDRAM3.2 R227_U_DDR4_SDRAM2.2 R227_U_DDR4_SDRAM3.2 R228_U_DDR4_SDRAM2.2 R228_U_DDR4_SDRAM3.2 R229_U_DDR4_SDRAM2.2 R229_U_DDR4_SDRAM3.2 R230_U_DDR4_SDRAM2.2 R230_U_DDR4_SDRAM3.2 R231_U_DDR4_SDRAM2.2 R231_U_DDR4_SDRAM3.2 R232_U_DDR4_SDRAM2.2 R232_U_DDR4_SDRAM3.2 R233_U_DDR4_SDRAM2.2 R233_U_DDR4_SDRAM3.2 R234_U_DDR4_SDRAM2.2 R234_U_DDR4_SDRAM3.2 R236_U_DDR4_SDRAM1.2 R236_U_DDR4_SDRAM2.2 R237_U_DDR4_SDRAM1.2 R237_U_DDR4_SDRAM2.2 R238_U_DDR4_SDRAM1.2 R238_U_DDR4_SDRAM2.2 R239_U_DDR4_SDRAM1.2 R239_U_DDR4_SDRAM2.2 R240_U_DDR4_SDRAM1.2 R240_U_DDR4_SDRAM2.2 R241_U_DDR4_SDRAM1.2 R241_U_DDR4_SDRAM2.2 R242_U_DDR4_SDRAM1.2 R242_U_DDR4_SDRAM2.2 R243_U_DDR4_SDRAM1.2 R243_U_DDR4_SDRAM2.2 R244_U_DDR4_SDRAM1.2 R244_U_DDR4_SDRAM2.2 R245_U_DDR4_SDRAM1.2 R245_U_DDR4_SDRAM2.2 R246_U_DDR4_SDRAM1.2 R246_U_DDR4_SDRAM2.2 U1_U_ADC_PLL1.30 U1_U_ADC_PLL1.32 U1_U_ADC_PLL2.30 U1_U_ADC_PLL2.32 U2.30 U2.32 U3.A1 U3.A2 U3.A3 U3.A4 U3.A5 U3.A6 U3.A7 U3.B1 U3.B2 U3.B3 U3.B4 U3.B5 U3.B6 U3.B7 U3.C1 U3.C2 U3.C3 U3.C4 U3.C5 U3.C6 U3.C7 U3.D1 U3.D2 U3.D3 U3.D4 U3.D5 U3.D6 U3.D7 U3.E1 U3.E2 U3.E3 U3.E4 U3.E5 U3.E6 U3.E7 U3.F1 U3.F2 U3.F3 U3.F4 U3.F5 U3.F6 U3.F7 U3.G1 U3.G2 U3.G3 U3.G4 U3.G5 U3.G6 U3.G7 U3.H1 U3.H2 U3.H3 U3.H4 U3.H5 U3.H6 U3.H7 U3.J1 U3.J2 U3.J3 U3.J4 U3.J5 U3.J6 U3.J7 U3.K1 U3.K2 U3.K3 U3.K4 U3.K5 U3.K6 U3.K7 U3.L1 U3.L2 U3.L3 U3.L4 U3.L5 U3.L6 U3.L7 U4.A1 U4.A2 U4.A3 U4.A4 U4.A5 U4.A6 U4.A7 U4.B1